# Altium PCB STC12+CH340E.PcbDoc
Units mil, origin at the board's own origin, x right, y up, seen from the top; angles counter-clockwise.
Board outline 800 x 2244.09 mil, 2 copper layers (Top Layer, Bottom Layer); 39 components, 56 nets, 180 pads, 37 vias.
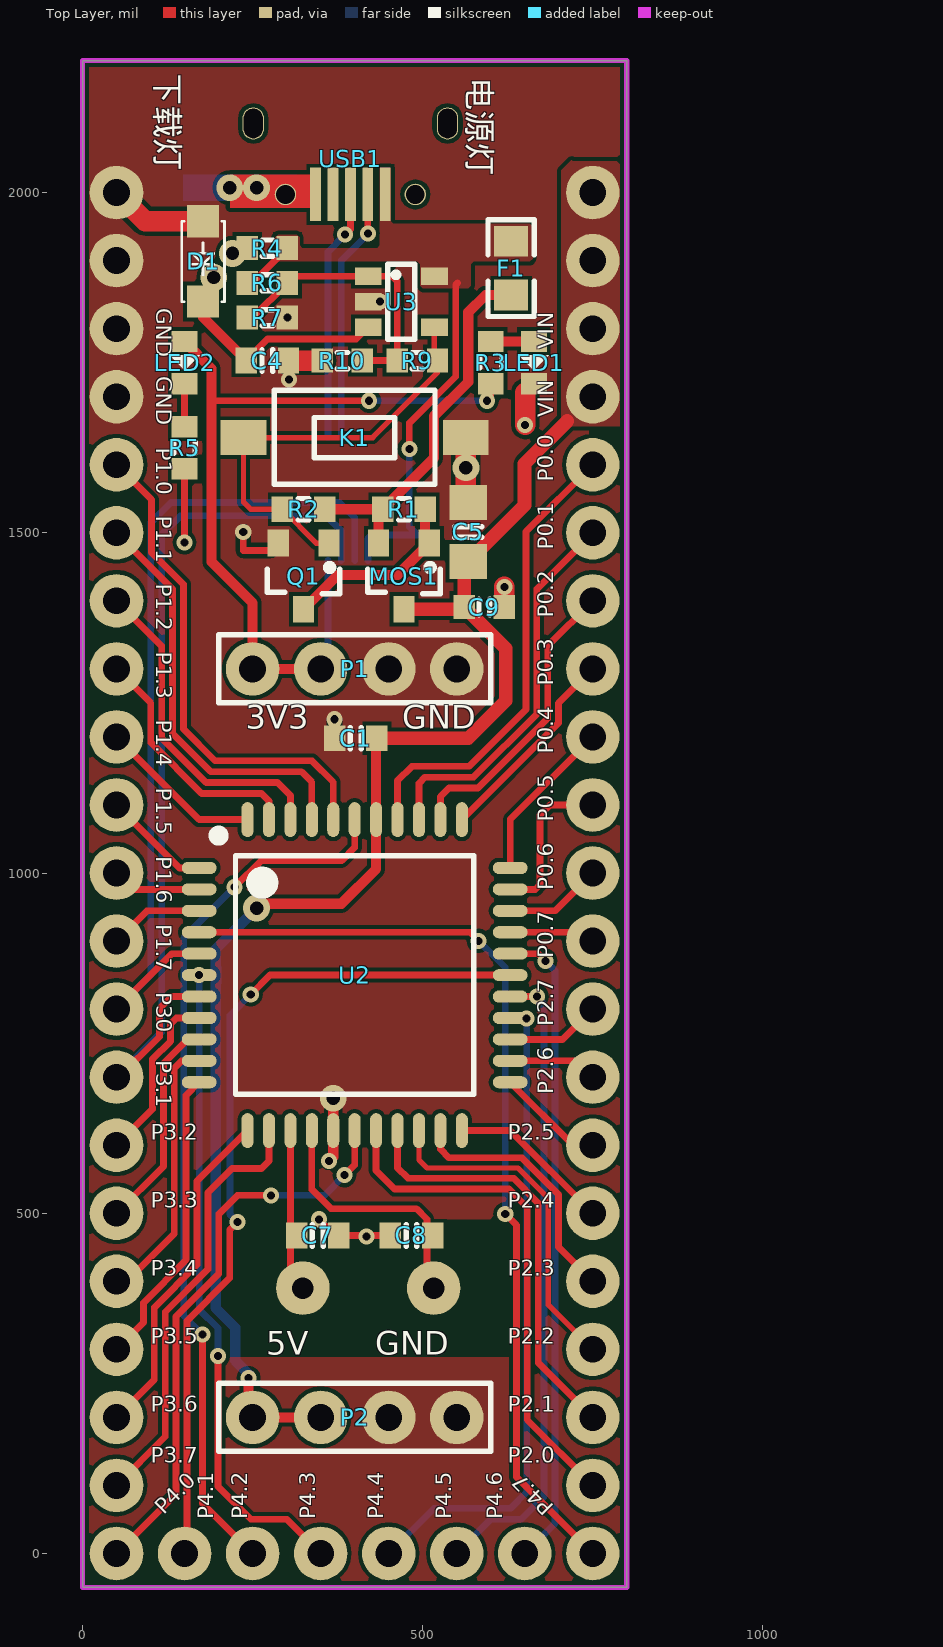
[diagram p0: Top Layer view]
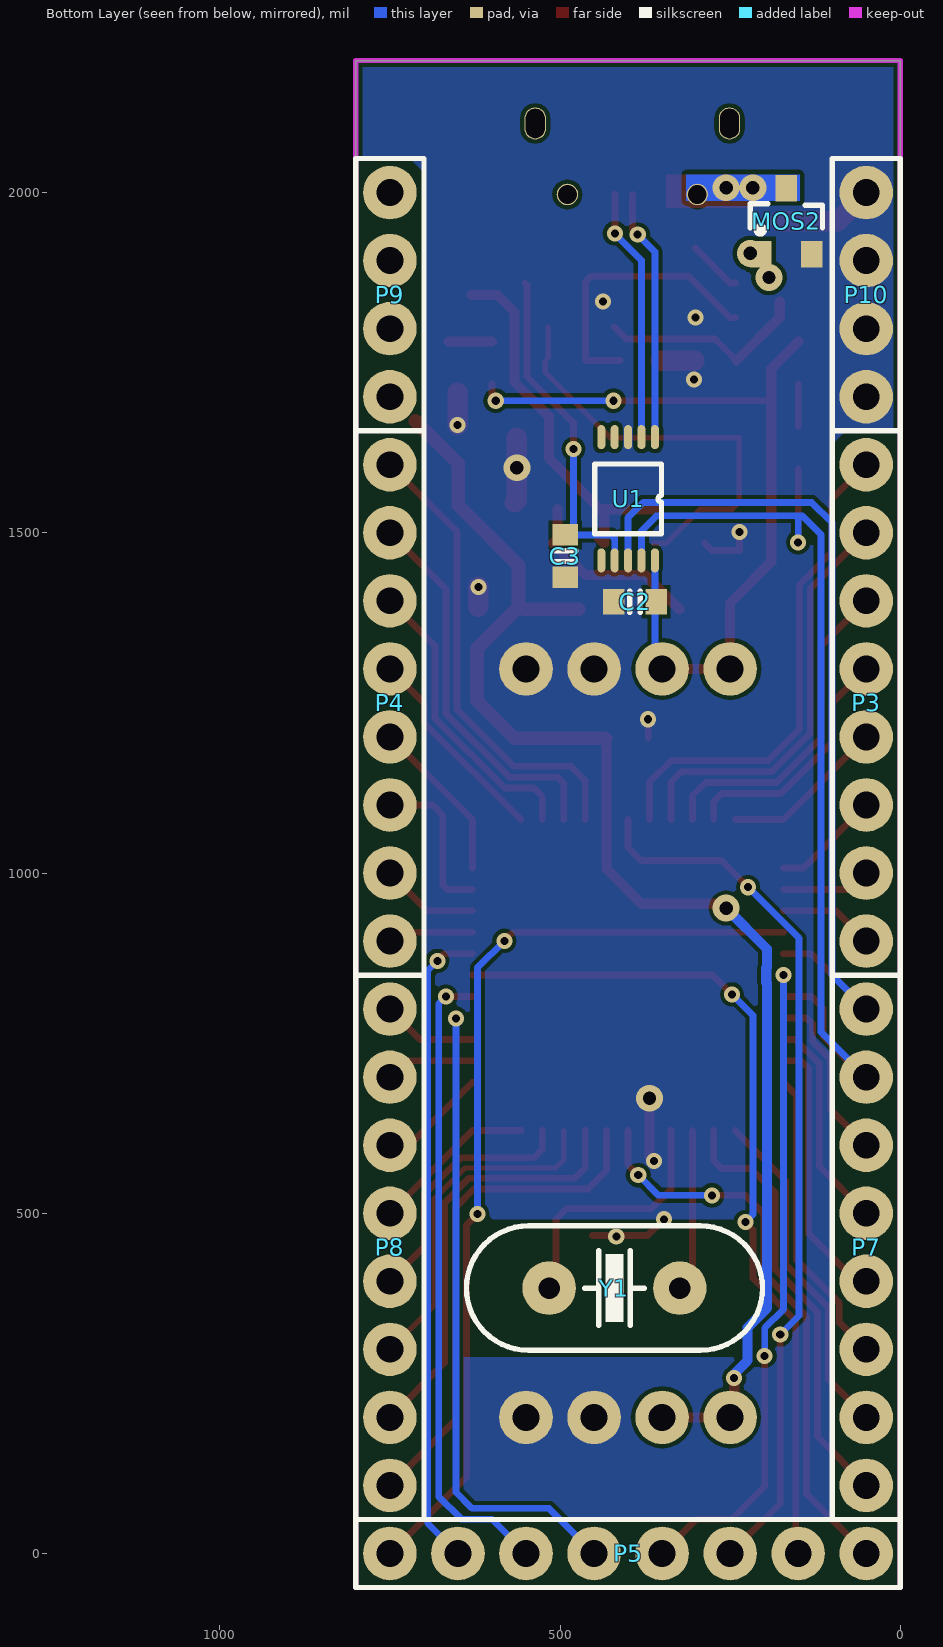
[diagram p1: Bottom Layer view, seen from below]

## Layer stack, top to bottom
Top Solder: solder mask 0.4, Solder Resist, Dk 3.5
Top Layer: signal copper 1.4
Dielectric1: dielectric 12.6, FR-4, Dk 4.8
Bottom Layer: signal copper 1.4
Bottom Solder: solder mask 0.4, Solder Resist, Dk 3.5

## Board outline
0,-50 800,-50 800,2194.09 0,2194.09

## Design rules (kind name [scope] priority, off if disabled: settings)
Clearance power [InNetClass('power') vs InNetClass('power')] p1: gap=10
Clearance [All] p2: gap=6
ComponentClearance [All] p1: gap=0 collisioncheckmode=3 verticalgap=0 showdistances=FALSE
PlaneConnect [All] p1: planeconnectstyle=Direct reliefexpansion=20 reliefentries=4 reliefconductorwidth=10 reliefairgap=10
PolygonConnect [All] p1: connectstyle=Direct reliefconductorwidth=10 reliefentries=4 polygonreliefangle="90 Angle" airgapwidth=10
RoutingVias [All] p1: holewidth=11.81 width=23.62 viastyle="Through Hole" minholewidth=11.81 minwidth=23.62 maxholewidth=236.22 maxwidth=248.03
SolderMaskExpansion [All] p1: expansion=4
Width [All] p1: maxlimit=1000 minlimit=6 preferedwidth=10
28 further rules are at their usual default settings.

## Components (designator, comment, footprint, x,y, rotation, side; value= is the part's Value field where it differs from the comment)
C1 "0.1μF" C_0603#1 401.57,1198.03 r180 top
C2 "0.1μF" C_0603#1 389.76,1398.82 r180 bottom
C3 "0.1μF" C_0603#1 492.13,1465.75 r90 bottom
C4 "10nF" C_0603#1 271.65,1753.15 r0 top
C5 "22μF 0805" C_0805 566.93,1501.18 r90 top
C7 "22pF" C_0603#1 345.67,467.32 r0 top
C8 "22pF" C_0603#1 483.46,467.32 r180 top
C9 "0.1μF 0603" C_0603#2 590.55,1390.94 r0 top
D1 "BZT52C3V3" SOD_123 177.17,1898.82 r90 top
F1 "6V 3A 0805" FB_0805 629.92,1888.98 r270 top
K1 "TACT SWITCH_2_SMD" "TACT SWITCH_2_SMD" 400,1640 r180 top
LED1 "LED_0603-B" LED_0603-B 663.39,1750 r270 top
LED2 "LED_0603-G" LED_0603-G 150,1750 r270 top
MOS1 "SI2301" SOT_23_3 472.44,1436.22 r180 top
MOS2 "AO3400A" SOT_23_3 167.32,1957.87 r180 bottom
P1 "PIN4" PIN_4 400,1300 r180 top
P2 "PIN4" PIN_4 400,200 r180 top
P3 "PIN8" PIN_8 50,1250 r270 bottom
P4 "PIN8" PIN_8 750,1250 r90 bottom
P5 "PIN8" PIN_8 400,0 r0 bottom
P7 "PIN8" PIN_8 50,450 r270 bottom
P8 "PIN8" PIN_8 750,450 r90 bottom
P9 "PIN4" PIN_4 750,1850 r90 bottom
P10 "PIN4" PIN_4 50,1850 r90 bottom
Q1 "2N7002" SOT_23_3 324.8,1436.22 r180 top
R1 "100kΩ" R_0603#1 472.44,1534.65 r180 top
R2 "10kΩ" R_0603#1 324.8,1534.65 r0 top
R3 "10KΩ" R_0603#1 600,1750 r90 top
R4 "1k" R_0603#2 271.65,1918.5 r0 top
R5 "10KΩ" R_0603#1 150,1625 r270 top
R6 "22k" R_0603#2 271.65,1867.32 r180 top
R7 "33k" R_0603#2 271.65,1816.14 r180 top
R9 "Ω" R_0603#2 492.13,1753.15 r0 top
R10 "Ω" R_0603#2 381.89,1753.15 r0 top
U1 "CH340E" MSOP_10 400,1550 r270 bottom
U2 "STC12LEXXS2" LQFP_44 400,850 r270 top locked
U3 "TL331" SOT_23_5 468.5,1839.76 r270 top
USB1 "MICRO USB B" "MICRO USB B" 393.7,1997.24 r0 top
Y1 "11.0592M" CRYSTAL_HC_49US 420,390 r0 bottom

## Footprints (in the part's own frame and the unit in brackets; to place one, negate y for a bottom-side part, rotate by r counter-clockwise, add the part's x,y. Pads: shape width x height; smd on the part's side, far side on the other; paste and mask are expansions set on the pad)
C_0603#1 [mm]
  rect 0.8x0.96 smd: 1(-0.79,0) 2(0.79,0)
  silkscreen extent -0.2,-0.4 0.2,0.4, body extent -0.76,-0.39 0.76,0.39, height 0.9
C_0603#2 [mm]
  rect 0.8x0.9 smd: 1(-0.75,0) 2(0.75,0)
  silkscreen extent -0.2,-0.3 0.2,0.3, body extent -0.76,-0.39 0.76,0.39, height 0.9
C_0805 [mm]
  rect 1.3x1.4 smd: 1(-1.1,0) 2(1.1,0)
  silkscreen extent -0.2,-0.5 0.2,0.5, body extent -1,-0.63 1,0.62, height 0.78
CRYSTAL_HC_49US [mm]
  round 2 hole 0.8: 1(-2.44,0) 2(2.44,0)
  silkscreen extent -5.53,-2.33 5.53,2.32, body extent -5.52,-2.32 5.53,2.33, height 2.49
FB_0805 [mil]
  rect 44.88x50 smd: 1(-39.5,0) 2(39.5,0)
  silkscreen extent -71,-34 71,34, body extent -39,-25 39,25, height 33
LED_0603-B [mm]
  rect 0.8x0.96 smd: 1(-0.79,0) 2(0.79,0)
  silkscreen extent -0.28,-0.56 0.28,0.56, body extent -0.85,-0.45 0.85,0.45, height 0.9
LED_0603-G [mm]
  rect 0.8x0.96 smd: 1(-0.79,0) 2(0.79,0)
  silkscreen extent -0.28,-0.56 0.28,0.56, body extent -0.85,-0.45 0.85,0.45, height 0.9
LQFP_44 [mm]
  oval 0.45x1.3 smd: 1(-4,-5.804) 2(-3.2,-5.804) 3(-2.4,-5.804) 4(-1.6,-5.804) 5(-0.8,-5.804) 6(0,-5.804) 7(0.8,-5.804) 8(1.6,-5.804) 9(2.4,-5.804) 10(3.2,-5.804) 11(4,-5.804) 23(4,5.804) 24(3.2,5.804) 25(2.4,5.804) 26(1.6,5.804) 27(0.8,5.804) 28(0,5.804) 29(-0.8,5.804) 30(-1.6,5.804) 31(-2.4,5.804) 32(-3.2,5.804) 33(-4,5.804)
  oval 1.3x0.45 smd: 12(5.804,-4) 13(5.804,-3.2) 14(5.804,-2.4) 15(5.804,-1.6) 16(5.804,-0.8) 17(5.804,0) 18(5.804,0.8) 19(5.804,1.6) 20(5.804,2.4) 21(5.804,3.2) 22(5.804,4) 34(-5.804,4) 35(-5.804,3.2) 36(-5.804,2.4) 37(-5.804,1.6) 38(-5.804,0.8) 39(-5.804,0) 40(-5.804,-0.8) 41(-5.804,-1.6) 42(-5.804,-2.4) 43(-5.804,-3.2) 44(-5.804,-4)
  silkscreen extent -5.33,-5.2 4.45,4.45, body extent -6,-6 6,6, height 1.68
"MICRO USB B" [mm]
  oval 0.8x1.2 hole 0.7 slot 1.1 at 90 deg: 0(-3.625,2.65) 0(3.625,2.65)
  round 0.8 hole 0.7: 0(-2.425,0) 0(2.425,0)
  rect 0.4x2 smd: 1(1.3,0) 2(0.65,0) 3(0,0) 4(-0.65,0) 5(-1.3,0)
  body extent -4.1,-0.11 4.1,5.32, height 2.63
MSOP_10 [mm]
  oval 0.9x0.3 smd: 1(-2.3,1) 2(-2.3,0.5) 3(-2.3,0) 4(-2.3,-0.5) 5(-2.3,-1) 6(2.3,-1) 7(2.3,-0.5) 8(2.3,0) 9(2.3,0.5) 10(2.3,1)
  round 0.5 on Bottom Overlay: 1(-0.8,0.7)
  silkscreen extent -1.3,-1.25 1.3,1.25, body extent -2.51,-1.5 2.51,1.5, height 1.05
PIN_4 [mm]
  round 2 hole 1: 1(-3.81,0) 2(-1.27,0) 3(1.27,0) 4(3.81,0)
  silkscreen extent -5.08,-1.27 5.08,1.27, body extent -5.08,-1.27 5.08,1.27, height 8.51
PIN_8 [mm]
  round 2 hole 1: 1(-8.89,0) 2(-6.35,0) 3(-3.81,0) 4(-1.27,0) 5(1.27,0) 6(3.81,0) 7(6.35,0) 8(8.89,0)
  silkscreen extent -10.16,-1.27 10.16,1.27, body extent -10.16,-1.27 10.16,1.27, height 8.51
R_0603#1 [mm]
  rect 0.8x0.96 smd: 1(-0.79,0) 2(0.79,0)
  silkscreen extent -0.2,-0.4 0.2,0.4, body extent -0.76,-0.38 0.76,0.38, height 0.41
R_0603#2 [mm]
  rect 0.8x0.9 smd: 1(-0.75,0) 2(0.75,0)
  silkscreen extent -0.2,-0.3 0.2,0.3, body extent -0.76,-0.38 0.76,0.38, height 0.41
SOD_123 [mm]
  rect 1.2x1.2 smd: 1(1.5,0) 2(-1.5,0)
  silkscreen extent -1.5,-0.8 1.5,0.8, body extent -1.93,-0.8 1.92,0.9, height 1.42
SOT_23_3 [mm]
  rect 0.8x1 smd: 1(-0.95,-1.235) 2(0.95,-1.235) 3(0,1.235)
  silkscreen extent -1.35,-0.45 1.35,0.65, body extent -1.45,-1.19 1.45,1.19, height 1.02
SOT_23_5 [mm]
  rect 0.65x1 smd: 1(-0.95,-1.235) 2(0,-1.235) 3(0.95,-1.235) 4(0.95,1.235) 5(-0.95,1.235)
  silkscreen extent -1.4,-0.5 1.4,0.5, body extent -1.45,-1.19 1.45,1.19, height 1.02
"TACT SWITCH_2_SMD" [mm]
  rect 1.7x1.3 smd: 1(-4.15,0) 2(4.15,0)
  silkscreen extent -3,-1.76 3,1.74, body extent -4,-1.8 4,1.8, height 2.4

## Part data
C1 C2 C3 C4 C7 C8 C9: library part C_0603
C5: library part C_0805
D1: library part BZT52CxVx
F1: library part FUSE_0805
R1 R2 R3 R4 R5 R6 R7 R9 R10: library part R_0603
U2: library part "STC12LE5AXXS2 - LQPF44"
Y1: library part Crystal_HC_49US

## Via types
v1: diameter 23.62, hole 11.81, Top Layer to Bottom Layer, 30 vias
v2: diameter 39.37, hole 19.68, Top Layer to Bottom Layer, 7 vias

## Nets (pads, with @x,y where several pads share a name; then routed paths per layer and width w, separated by ;. In a path a pad name is that pad's centre, name@x,y a point inside that pad or via, vN(x,y) a via of type N, cw(c..) or ccw(c..) an arc to the next point about the centre after c; other vN are vias at no path point)
3V3: C2.2 LED2.1 P1.3 P1.4 R3.1 U1.10 | length 1218.3
  Top Layer w10: 189.65,1694.09 v1(421.26,1694.09) ; v1(594.49,1694.09) 600,1699.61 R3.1
  Top Layer w15: LED2.1 150,1780.99 189.65,1741.34 189.65,1694.09 189.65,1457.2 250,1396.85 P1.4 P1.3
  Bottom Layer w10: P1.3 360.63,1310.63 U1.10 ; v1(421.26,1694.09) v1(594.49,1694.09)
D+: U1.1@360.63,1640.55 USB1.3 | length 370.4
  Top Layer w10: v1(385.83,1938.19) 393.7,1946.06 USB1.3
  Bottom Layer w10: U1.1@360.63,1640.55 360.63,1912.99 v1(385.83,1938.19)
D-: U1.2 USB1.2 | length 372.8
  Top Layer w10: v1(419.29,1940.16) USB1.2
  Bottom Layer w10: U1.2 380.31,1900.42 419.29,1939.39 v1(419.29,1940.16)
GND: C1.2 C2.1 C3.1 C4.2 C5.2 C7.2 C8.2 C9.2 D1.1 K1.1 LED1.2 MOS2.2 P1.1 P1.2 P2.1 P2.2 P10.1 P10.2 P10.3 P10.4 Q1.2 R7.1 R10.1 U1.3 U2.16 U3.2 | length 688.7
  Top Layer w10: v1(236.22,1501.18) 236.22,1474.02 276.57,1474.02 Q1.2 ; v1(347.44,491.14) 371.26,467.32 C7.2 C8.2 ; C1.2 v1(370.47,1225.98)
  Top Layer w15: v1(362.2,576.77) 368.5,583.07 U2.16 v2(368.5,668.9)
  Top Layer w30: P10.4 92.13,1957.87 D1.1 ; C4.2 R10.1 ; K1.1 563.39,1548.03 C5.2 ; C9.2 v1(620.08,1420.47) ; v1(650.59,1658.46) LED1.2@650.59,1706.1
  other v1: 417.32,465.75 303.15,1725.59 301.18,1816.14 437.01,1839.76
  other v2: 563.39,1595.67
IN_3V3: C4.1 D1.2 MOS2.1 R4.1 U3.3 | length 312.6
  Top Layer w10: C4.1 272.05,1784.65 402.17,1784.65 U3.3
  Top Layer w15: D1.2 177.17,1816.54 C4.1
  other v2: 192.91,1875.2 220.47,1910.63
NetC7_1: C7.1 U2.14 Y1.1 | length 255
  Top Layer w10: U2.14 305.51,378.43 Y1.1@313.94,370
NetC8_1: C8.1 U2.15 Y1.2 | length 394.9
  Top Layer w10: U2.15 337.01,535.04 365.35,506.69 490.55,506.69 506.06,491.18 Y1.2@506.06,370
NetF1_2: F1.2 MOS1.2 R1.2 R2.2 | length 563.9
  Top Layer w15: R2.2 R1.2 ; MOS1.2@442.91,1492.72 MOS1.2 435.04,1528.35 R1.2 ; F1.2 592.39,1849.48 566.93,1824.02 566.93,1721.69 516.42,1671.18 516.42,1609.73 R1.2
NetK1_2: K1.2 Q1.1 R2.1 R9.2 U3.4 | length 638.8
  Top Layer w8: Q1.1 343.5,1484.84 R2.1 247.05,1534.65 236.61,1545.08 K1.2 426.22,1640 521.65,1735.43 R9.2 517.13,1757.68 U3.4
NetLED1_1: LED1.1 R3.2 | length 63.4
  Top Layer w15: R3.2 LED1.1
NetLED2_2: LED2.2 R5.1 | length 62.8
  Top Layer w10: R5.1 LED2.2
NetMOS1_1: MOS1.1 Q1.3 R1.1 | length 277.7
  Top Layer w15: Q1.3 375.39,1438.19 463.19,1438.19 MOS1.1 503.54,1491.14 R1.1
NetMOS2_3: MOS2.3 USB1.0@298.23,1997.24 USB1.5
  other v2: 216.54,2007.09 255.91,2007.09
NetP3_1: P3.1 U2.40 | length 736.6
  Top Layer w10: P3.1 101.38,1548.62 101.38,1471.25 148.37,1424.26 148.37,1211.61 195.06,1164.93 337.04,1164.93 368.5,1133.46 U2.40
NetP3_2: P3.2 U2.41 | length 618.4
  Top Layer w10: P3.2 132.37,1417.63 132.37,1204.99 188.43,1148.93 321.54,1148.93 337.01,1133.46 U2.41
NetP3_3: P3.3 U2.42 | length 488.6
  Top Layer w10: P3.3 116.37,1333.63 116.37,1198.36 181.8,1132.93 286.36,1132.93 305.51,1113.78 U2.42
NetP3_4: P3.4 U2.43 | length 365.7
  Top Layer w10: P3.4 100.37,1249.63 100.37,1191.73 175.17,1116.93 262.99,1116.93 274.02,1105.91 U2.43
NetP3_5: P3.5 U2.44 | length 242.8
  Top Layer w10: P3.5 171.5,1078.5 U2.44
NetP3_6: P3.6 U2.1 | length 159.8
  Top Layer w10: P3.6 142.52,1007.48 U2.1
NetP3_7: P3.7 U2.2 | length 131.4
  Top Layer w10: P3.7 74.02,975.98 U2.2
NetP3_8: P3.8 U2.3 | length 139.9
  Top Layer w10: P3.8 94.49,944.49 U2.3
NetP4_1: P4.1 U2.30 | length 126.9
  Top Layer w10: U2.30 737.01,912.99 P4.1
NetP4_2: P4.2 U2.31 | length 144.5
  Top Layer w10: U2.31 694.49,944.49 P4.2
NetP4_3: P4.3 U2.32 | length 232.8
  Top Layer w10: U2.32 665.35,975.98 672.44,983.07 672.44,1085.43 687.01,1100 P4.3
NetP4_4: P4.4 U2.33 | length 242.8
  Top Layer w10: U2.33 628.5,1078.5 P4.4
NetP4_5: P4.5 U2.34 | length 301.2
  Top Layer w10: U2.34 699.63,1220.65 699.63,1249.63 P4.5
NetP4_6: P4.6 U2.35 | length 439.2
  Top Layer w10: U2.35 525.98,1112.2 538.58,1124.8 581.15,1124.8 683.63,1227.28 683.63,1333.63 P4.6
NetP4_7: P4.7 U2.36 | length 569
  Top Layer w10: U2.36 494.49,1131.89 503.4,1140.8 574.52,1140.8 667.63,1233.91 667.63,1417.63 P4.7
NetP4_8: P4.8 U2.37 | length 689.5
  Top Layer w10: U2.37 462.99,1135.83 483.97,1156.8 567.9,1156.8 651.63,1240.54 651.63,1501.63 P4.8
NetP5_1: P5.1 U2.17 | length 841.4
  Top Layer w10: P5.1 137.56,87.56 137.56,348.45 200.25,411.14 200.25,499.07 227.56,526.38 v1(276.77,526.38) ; v1(385.04,555.91) 400,570.87 U2.17
  Bottom Layer w10: v1(276.77,526.38) 355.51,526.38 v1(385.04,555.91)
NetP5_2: P5.2 U2.28 | length 1269.6
  Top Layer w10: P5.2 P5.2@153.56,3.56 ; P5.2@157.45,7.45 P5.2@153.56,3.56 ; v1(227.56,487.01) 216.25,475.7 216.25,404.51 153.56,341.82 P5.2@153.56,3.56 ; v1(247.24,821.65) 275.59,850 U2.28
  Bottom Layer w10: v1(227.56,487.01) 216.54,498.03 216.54,790.94 v1(247.24,821.65)
NetP5_3: P5.3 U2.39 | length 1293.8
  Top Layer w10: v1(176.38,321.65) 176.38,73.62 P5.3 ; v1(223.62,979.13) 262.99,1018.5 381.1,1018.5 400,1037.4 U2.39
  Bottom Layer w10: v1(176.38,321.65) 148.68,349.35 148.68,904.2 v1(223.62,979.13)
NetP5_4: P5.4 U2.6 | length 963.9
  Top Layer w10: v1(199.19,290.16) 199.19,98.43 247.24,50.37 299.63,50.37 P5.4 P5.4@340.77,0
  Bottom Layer w10: v1(171.5,850) 171.5,358.8 199.19,331.1 v1(199.19,290.16)
NetP5_5: P5.5 U2.26 | length 936.3
  Bottom Layer w10: P5.5 516.37,66.37 629.13,66.37 652.76,89.99 v1(652.76,786.22)
NetP5_6: P5.6 U2.27 | length 941.4
  Top Layer w10: U2.27 v1(667.72,818.5)
  Bottom Layer w10: P5.6 600.37,50.37 644.88,50.37 678.37,83.86 678.37,807.85 v1(667.72,818.5)
NetP5_7: P5.7 U2.29 | length 951.3
  Top Layer w10: U2.29 669.68,881.5 v1(680.32,870.87)
  Bottom Layer w10: P5.7 694.37,44.37 694.37,856.81 v1(680.32,870.87)
NetP5_8: P5.8 U2.4 | length 1385.6
  Top Layer w10: U2.4 569.29,912.99 v1(581.89,900.39) ; v1(621.26,498.82) 637.63,482.45 637.63,112.37 P5.8
  Bottom Layer w10: v1(581.89,900.39) 621.26,861.02 v1(621.26,498.82)
NetP7_3: P7.3 U2.8 | length 257.1
  Top Layer w10: P7.3 102.91,652.91 102.91,726.51 129.13,752.74 129.13,778.35 137.8,787.01 U2.8
NetP7_4: P7.4 U2.9 | length 315.8
  Top Layer w10: P7.4 118.91,568.91 118.91,719.88 154.54,755.51 U2.9
NetP7_5: P7.5 U2.10 | length 398
  Top Layer w10: P7.5 64.55,400 134.91,470.35 134.91,713.25 145.67,724.02 U2.10
NetP7_6: P7.6 U2.11 | length 442.8
  Top Layer w10: P7.6 89.56,339.56 89.56,368.33 152.25,431.02 152.25,673.28 U2.11
NetP7_7: P7.7 U2.12 | length 501.2
  Top Layer w10: P7.7 105.56,255.56 105.56,361.7 168.25,424.39 168.25,547.23 U2.12
NetP7_8: P7.8 U2.13 | length 639.7
  Top Layer w10: P7.8 121.56,171.56 121.56,355.07 184.25,417.76 184.25,530.32 219.68,565.75 262.99,565.75 274.02,576.77 U2.13
NetP8_1: P8.1 U2.18 | length 752
  Top Layer w10: U2.18 431.5,562.6 458.6,535.5 626.82,535.5 653.63,508.69 653.63,196.37 P8.1
NetP8_2: P8.2 U2.19 | length 631.4
  Top Layer w10: U2.19 462.99,566.54 478.03,551.5 633.45,551.5 669.63,515.32 669.63,280.37 P8.2
NetP8_3: P8.3 U2.20 | length 505.4
  Top Layer w8: U2.20 494.49,578.35 506.34,566.5 639.66,566.5 684.63,521.53 684.63,365.37 P8.3
NetP8_4: P8.4 U2.21 | length 393
  Top Layer w10: U2.21 525.98,594.09 538.58,581.5 645.88,581.5 699.63,527.74 699.63,450.37 P8.4 P8.4@734.16,400
NetP8_5: P8.5 U2.22 | length 242.8
  Top Layer w10: U2.22 628.5,621.5 P8.5
NetP8_6: P8.6 U2.23 | length 159.8
  Top Layer w10: U2.23 721.02,600 P8.6
NetP8_7: P8.7 U2.24 | length 131.4
  Top Layer w10: U2.24 725.98,724.02 P8.7
NetP8_8: P8.8 U2.25 | length 139.9
  Top Layer w10: U2.25 705.51,755.51 P8.8
NetR6_1: R6.1 R7.2 R9.1 R10.2 U3.1 | length 416.3
  Top Layer w10: R7.2 250,1816.14 R6.1 311.02,1877.17 U3.1 454.72,1877.17 462.6,1869.29 R9.1 R10.2
RXD: P7.1 U1.8 U2.5 | length 1275.2
  Top Layer w10: P7.1 131.5,881.5 U2.5
  Bottom Layer w10: P7.1 100.37,850.37 100.37,1514.94 130.12,1544.68 377.76,1544.68 400,1522.44 U1.8
TXD: P7.2 R5.2 U1.9 U2.7 | length 1496.5
  Top Layer w10: P7.2 53.77,700 113.13,759.36 113.13,800.97 130.66,818.5 U2.7 ; v1(150,1485.83) R5.2
  Bottom Layer w10: P7.2 116.37,766.37 116.37,1497.47 143.9,1525 153.54,1525 ; v1(150,1485.83) 150,1521.46 153.54,1525 ; U1.9 380.31,1502.76 358.07,1525 153.54,1525
VCC: C1.1 C5.1 C9.1 MOS1.3 P2.3 P2.4 P9.1 P9.2 P9.3 P9.4 U2.38 | length 2086.7
  Top Layer w15: P2.4@244.09,205.91 v1(244.09,257.87) ; v2@247.24,939.76 v2(255.91,948.43) 262.4,954.92 380.51,954.92 431.5,1005.91 U2.38 C1.1@431.5,1196.85 ; P2.4 P2.3
  Top Layer w20: C1.1 566.93,1198.03 622.05,1253.15 622.05,1329.92 C9.1 561.02,1451.97 C5.1 649.61,1540.55 649.61,1601.38 712.6,1664.37 ; MOS1.3 C9.1@553.35,1387.6 ; P9.1@750,1691.93 P9.1
  Bottom Layer w15: v1@245.08,262.8 224.5,283.37 224.5,331.95 195.87,360.59 195.87,838.57 196.81,839.52 196.81,860.48 195.87,861.42 195.87,888.39 v2(255.91,948.43)
VIN: C3.2 F1.1 R4.2 R6.2 U1.7 U3.5 USB1.1 | length 591.8
  Top Layer w10: R6.2 250,1867.32 R4.2 ; v1(480.32,1623.23) 480.32,1661.24 548.43,1729.35 548.43,1864.57 551.18,1867.32
  Bottom Layer w10: U1.7 419.68,1491.73 424.8,1496.85 C3.2 480.32,1508.66 v1(480.32,1623.23)
pads on no net: U1.1@372.44,1581.5 U1.4 U1.5 U1.6 USB1.0@250.98,2101.57 USB1.0@489.17,1997.24 USB1.0@536.42,2101.57 USB1.4

## Polygon pours and split planes (outlines as drawn)
GND on Top Layer "Top Layer-No Net" (solid, pour order 22): 0,2191.93 0,-48.23 798.03,-48.23 800,-46.26 800,2189.96 0,2189.96
VCC on Top Layer "Top Layer-No Net" (solid, pour order 10): 718.5,2047.24 703.74,2032.48 703.74,1664.37 711.61,1656.5 789.37,1656.5 795.28,1662.4 795.28,2032.48 794.29,2033.46 794.29,2037.4 785.43,2046.26 720.47,2046.26 718.5,2048.23
VIN on Top Layer "Top Layer-No Net" (solid, pour order 2): 437.01,2036.61 437.01,1922.44 433.07,1918.5 322.83,1918.5 318.9,1922.44 318.9,1934.25 314.96,1938.19 287.4,1938.19 283.46,1934.25 283.46,1902.76 287.4,1898.82 377.95,1898.82 492.13,1898.82 496.06,1894.88 496.06,1863.39 500,1859.45 566.93,1859.45 570.87,1863.39 570.87,1894.88 574.8,1898.82 657.48,1898.82 661.42,1902.76 661.42,1950 657.48,1953.94 456.69,1953.94 452.76,1957.87 452.76,2036.61 437.01,2036.61
GND on Bottom Layer "Top Layer-No Net" (solid, pour order 20): 0.98,2189.96 0,2188.98 0,-50 800,-50 800,2192.91 0.98,2192.91 0,2191.93

## Keep-outs
Keep-Out Layer:
  the board outline again, w7.87

## Other copper
Top Layer:
  rectangle net NetMOS2_3: 216.54,1977.56 344.49,2026.77
  pour cut-out: 187.99,491.14 651.57,491.14 651.57,288.39 188.98,288.39 188.98,492.13
Bottom Layer:
  rectangle net NetMOS2_3: 147.64,1987.4 314.96,2026.77
  pour cut-out: 187.99,491.14 651.57,491.14 651.57,288.39 188.98,288.39 188.98,492.13
  pour cut-out: 738.19,1910.43 1201.77,1910.43 1201.77,1707.68 739.17,1707.68 739.17,1911.42
  pour cut-out: 0,1650 80,1650 100,1630 100,50 0,50
  pour cut-out: 720,2050 800,2050 800,48.43 798.43,50 700,50 700,2030
  pour cut-out: 0,50 800,50 800,-50 0,-50

## Silkscreen, mask and mechanical layers (free items; w line width, h text height)
Top Overlay:
  text "下载灯" at 96.46,2175.2 h60 r270
  text "电源灯" at 555.12,2168.31 h60 r270
  text "GND" at 100,1830 h39.37 r270
  text "VIN" at 700,1770 h39.37 r90
  text "GND" at 100,1730 h39.37 r270
  text "VIN" at 700,1670 h39.37 r90
  text "P1.0" at 100,1625 h39.37 r270
  text "P0.0" at 700,1575 h39.37 r90
  text "P1.1" at 100,1525 h39.37 r270
  text "P0.1" at 700,1475 h39.37 r90
  text "P1.2" at 100,1425 h39.37 r270
  text "P0.2" at 700,1375 h39.37 r90
  text "P1.3" at 100,1325 h39.37 r270
  text "P0.3" at 700,1275 h39.37 r90
  text "P1.4" at 100,1225 h39.37 r270
  text "3V3" at 240,1200 h59.06
  text "GND" at 470,1200 h59.06
  text "P0.4" at 700,1175 h39.37 r90
  text "P1.5" at 100,1125 h39.37 r270
  text "P0.5" at 700,1075 h39.37 r90
  text "P1.6" at 100,1025 h39.37 r270
  text "P0.6" at 700,975 h39.37 r90
  text "P1.7" at 100,925 h39.37 r270
  text "P0.7" at 700,875 h39.37 r90
  text "P30" at 100,825 h39.37 r270
  text "P2.7" at 700,775 h39.37 r90
  text "P3.1" at 100,725 h39.37 r270
  text "P2.6" at 700,675 h39.37 r90
  text "P3.2" at 100,600 h39.37
  text "P2.5" at 625,600 h39.37
  text "P3.3" at 100,500 h39.37
  text "P2.4" at 625,500 h39.37
  text "P3.4" at 100,400 h39.37
  text "P2.3" at 625,400 h39.37
  text "P3.5" at 100,300 h39.37
  text "P2.2" at 625,300 h39.37
  text "5V" at 270,280 h59.06
  text "GND" at 430,280 h59.06
  text "P3.6" at 100,200 h39.37
  text "P2.1" at 625,200 h39.37
  text "P3.7" at 100,125 h39.37
  text "P2.0" at 625,125 h39.37
  text "P4.7" at 700,75 h39.37 r135
  text "P4.0" at 125,50 h39.37 r45
  text "P4.1" at 200,50 h39.37 r90
  text "P4.2" at 250,50 h39.37 r90
  text "P4.3" at 350,50 h39.37 r90
  text "P4.4" at 450,50 h39.37 r90
  text "P4.5" at 550,50 h39.37 r90
  text "P4.6" at 625,50 h39.37 r90